# Altium PCB MotorBoard.PcbDoc (part 1 of 2)
Units mm, origin at the board's own origin, x right, y up, seen from the top; angles counter-clockwise.
Board outline 100 x 100 mm, 2 copper layers (Top Layer, Bottom Layer), stack 1.535 mm thick; 223 components, 73 nets, 805 pads, 205 vias.
Unrouted connection lines stored in the file: 31.
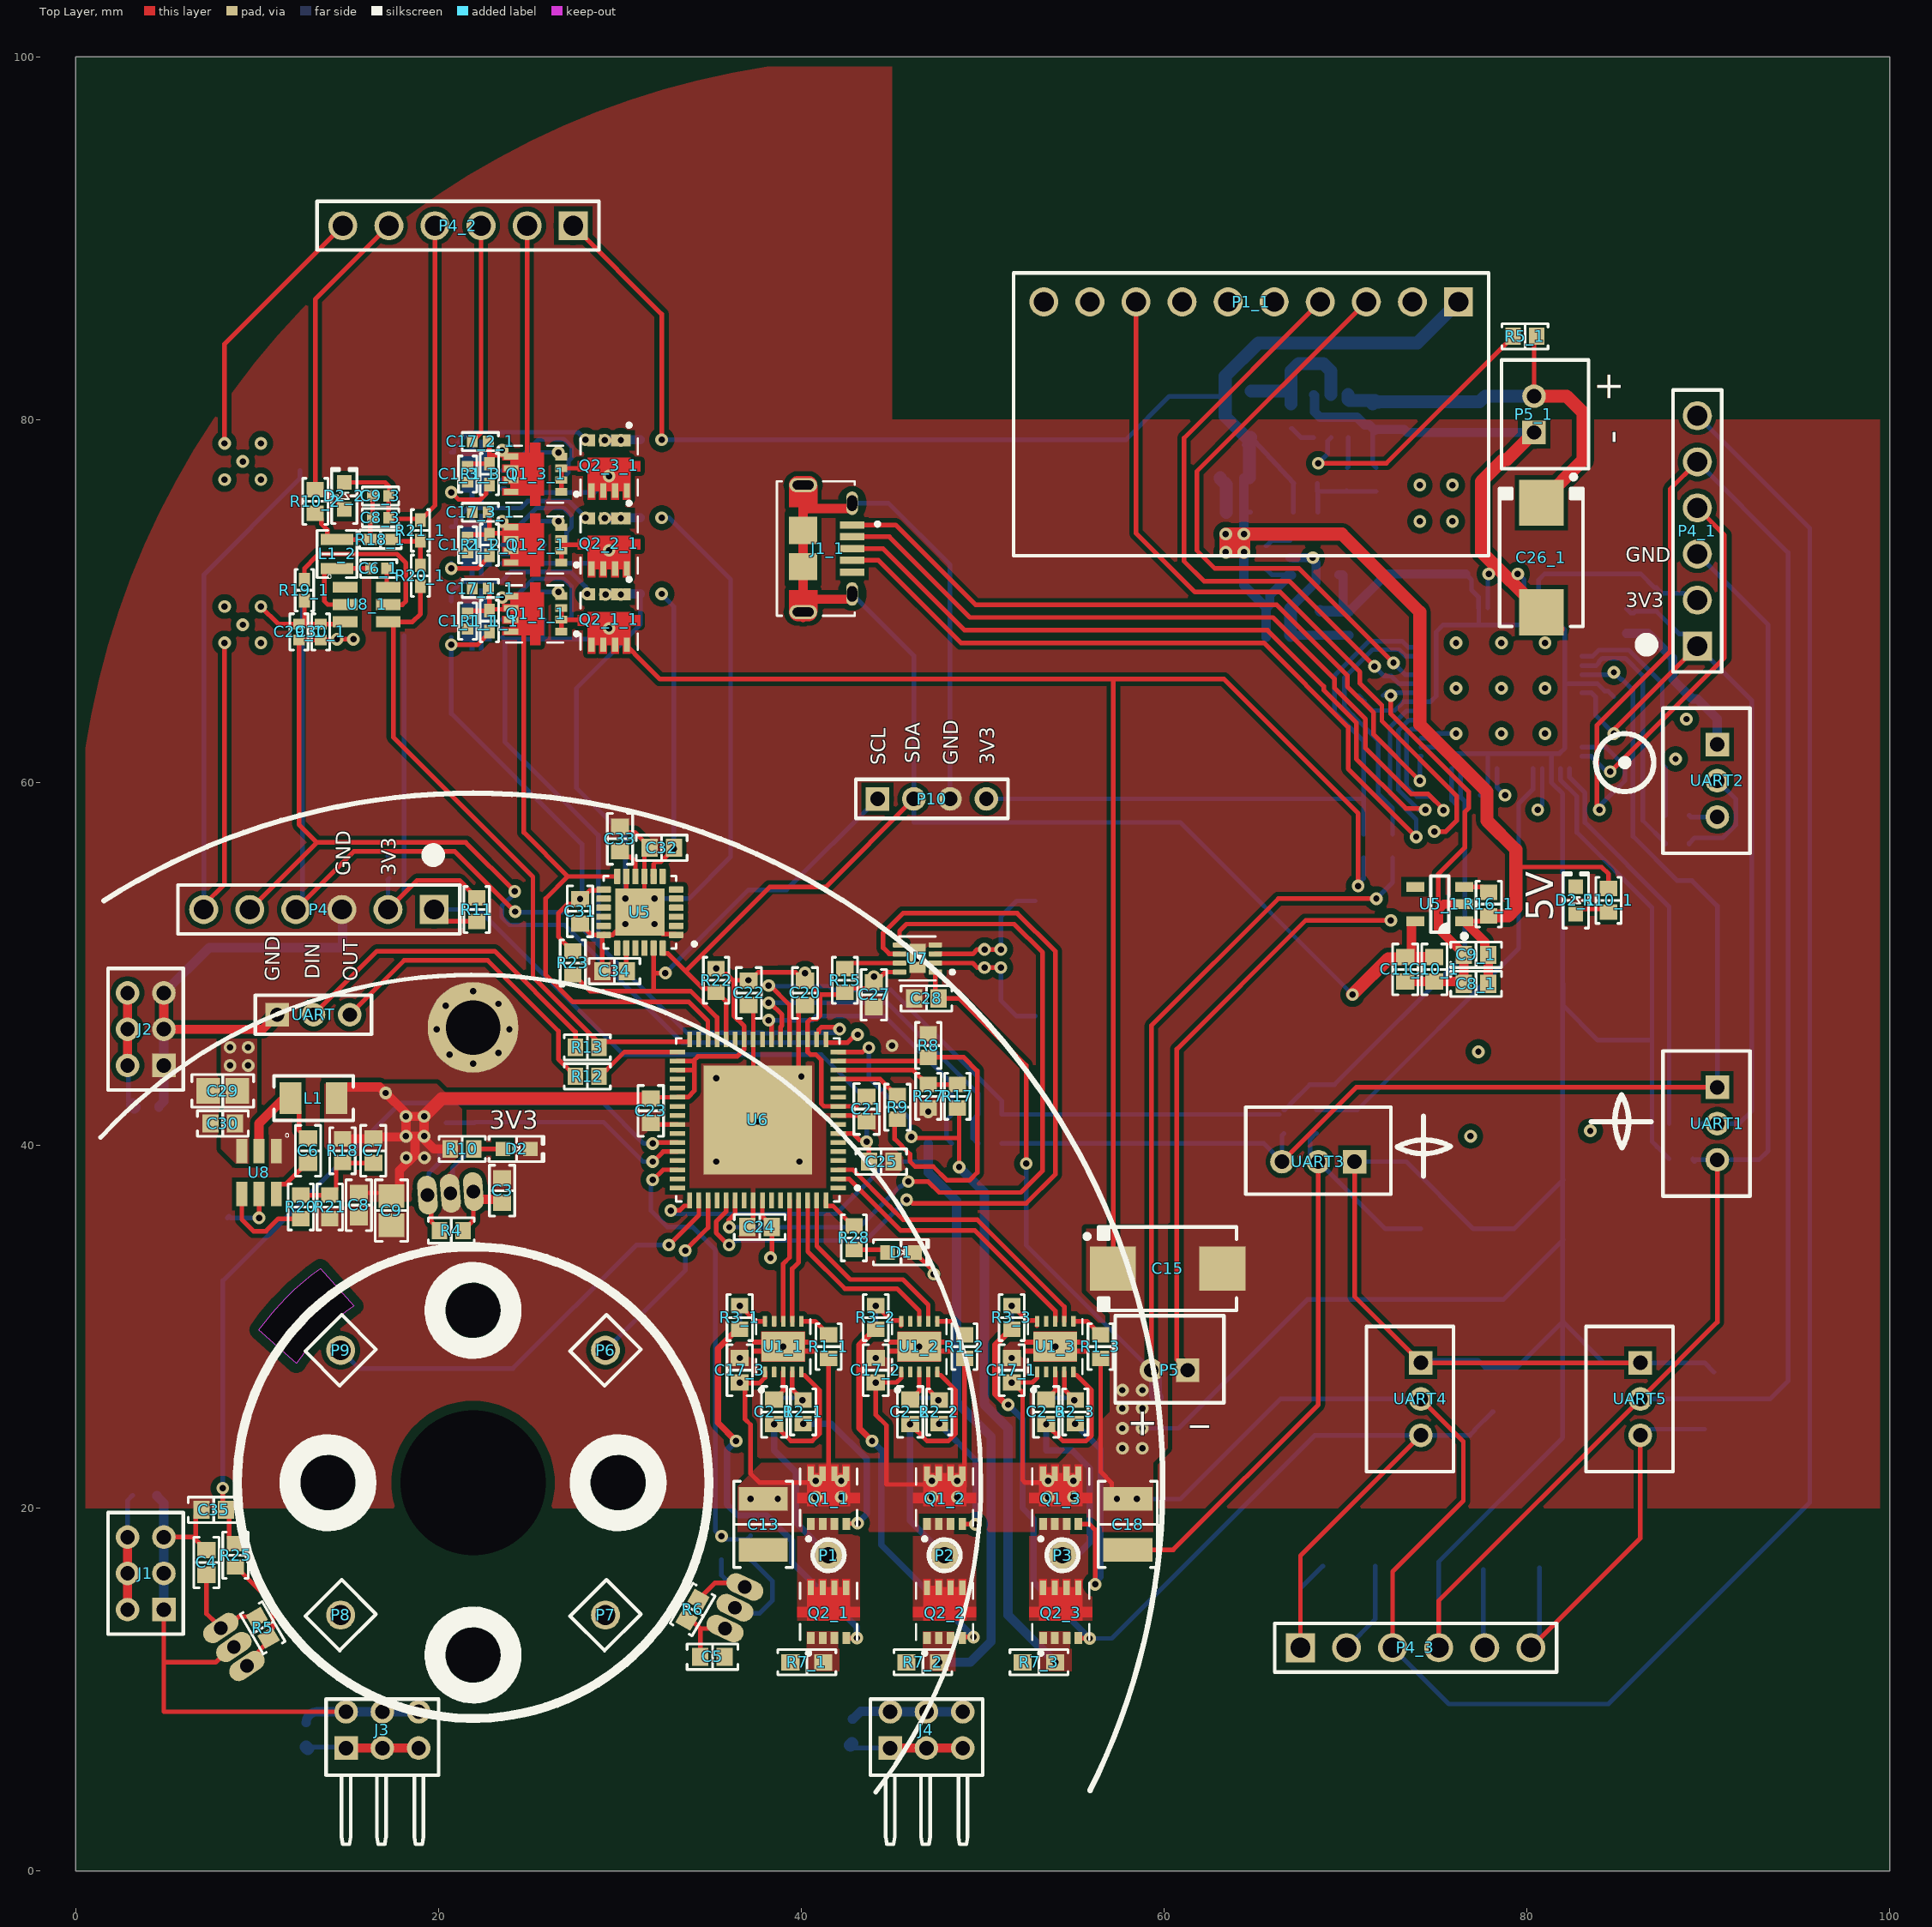
[diagram p0: Top Layer view]
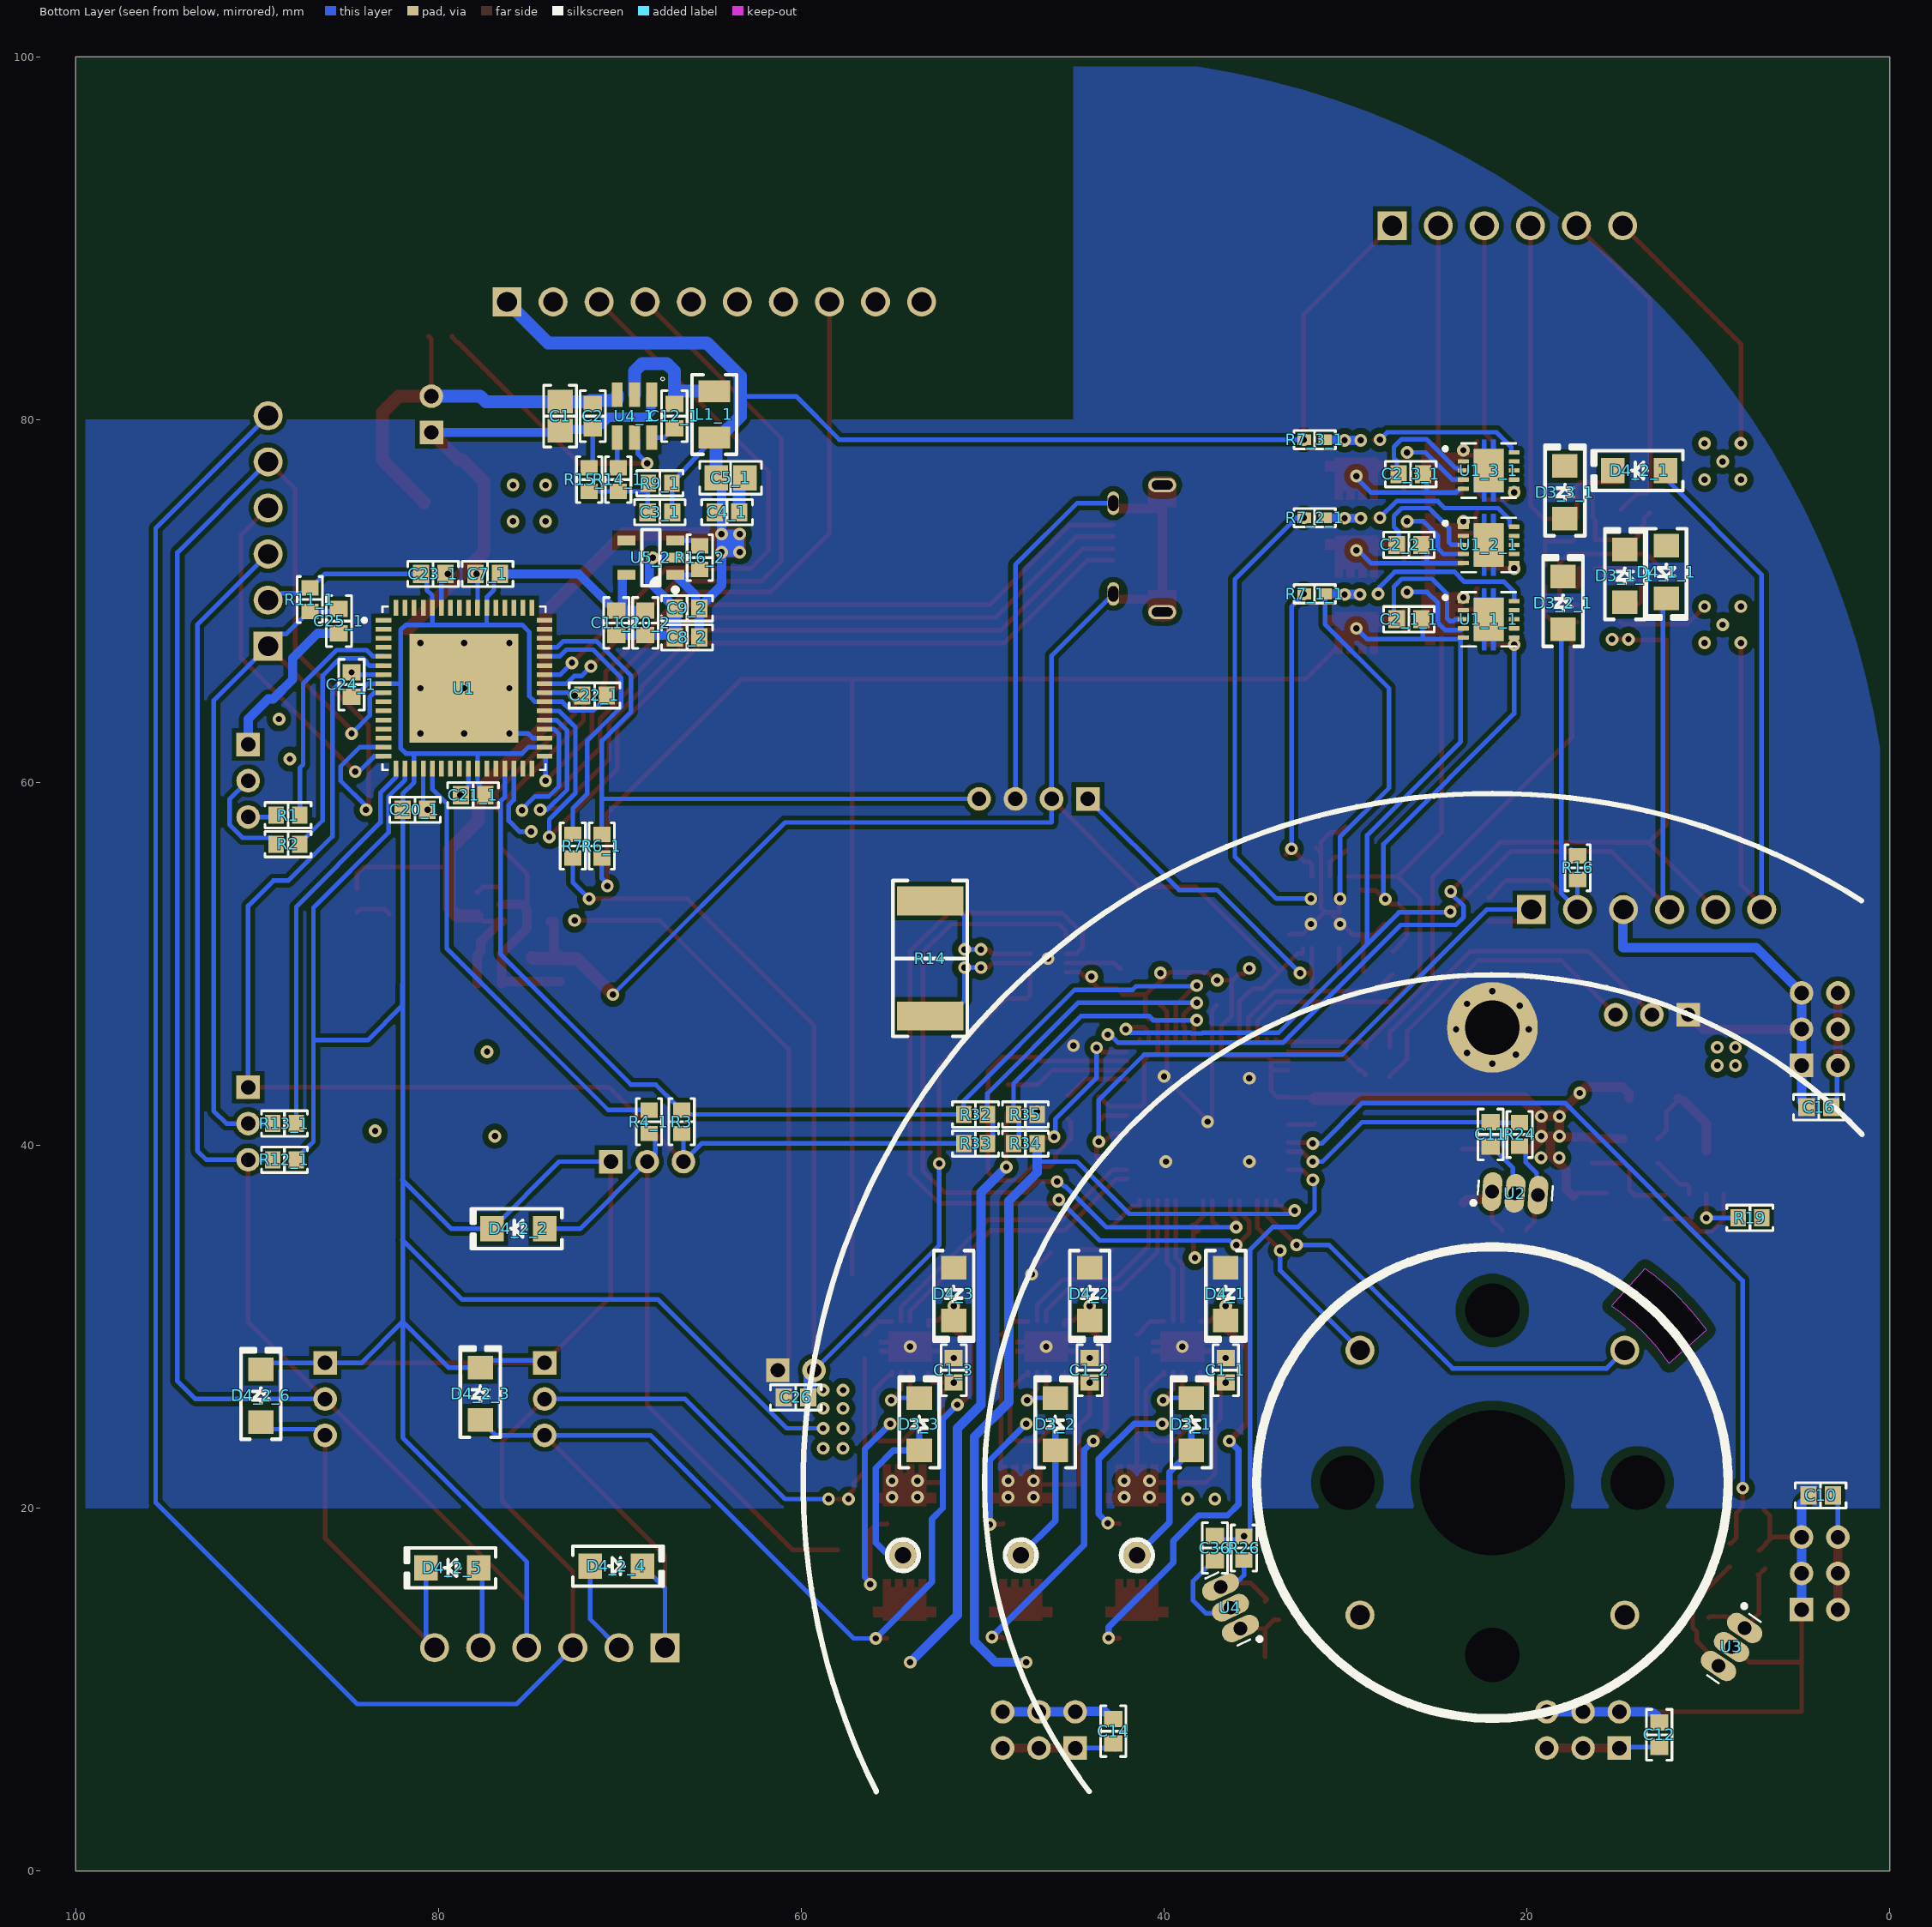
[diagram p1: Bottom Layer view, seen from below]
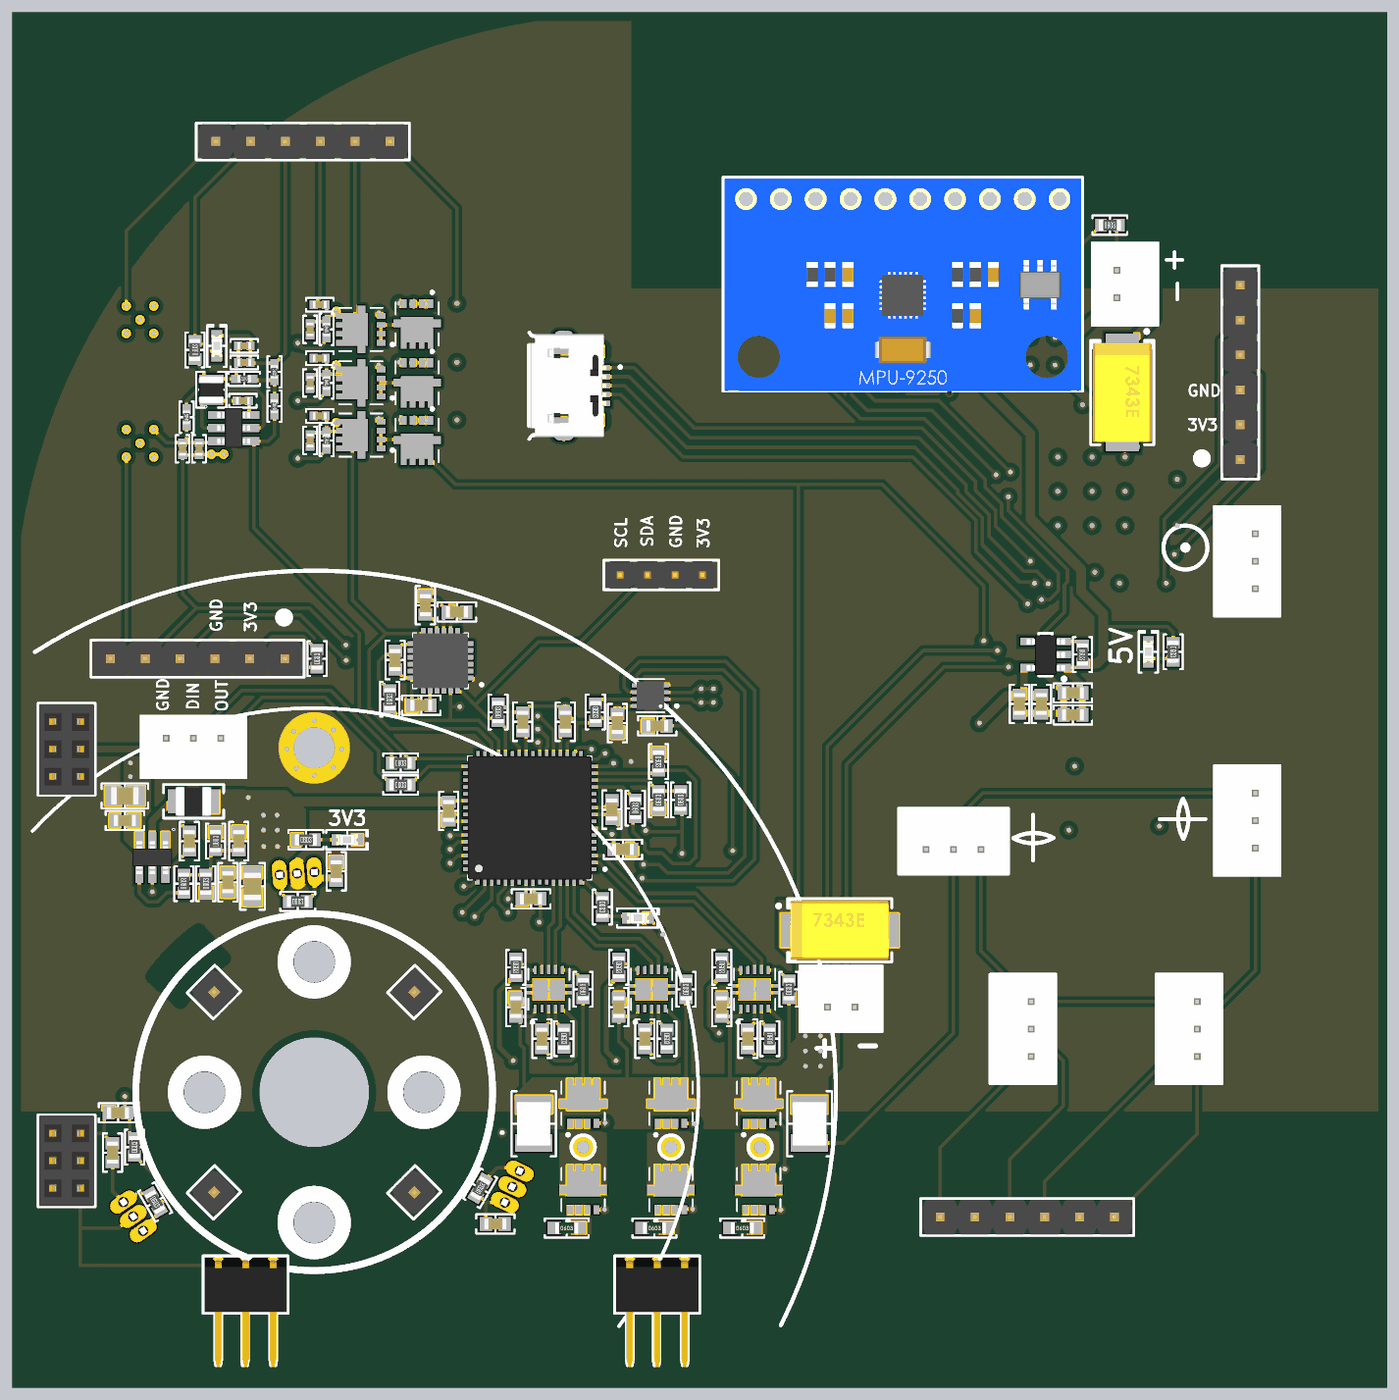
[diagram p3: 3D render of the assembled board from above, using the file's embedded part models]
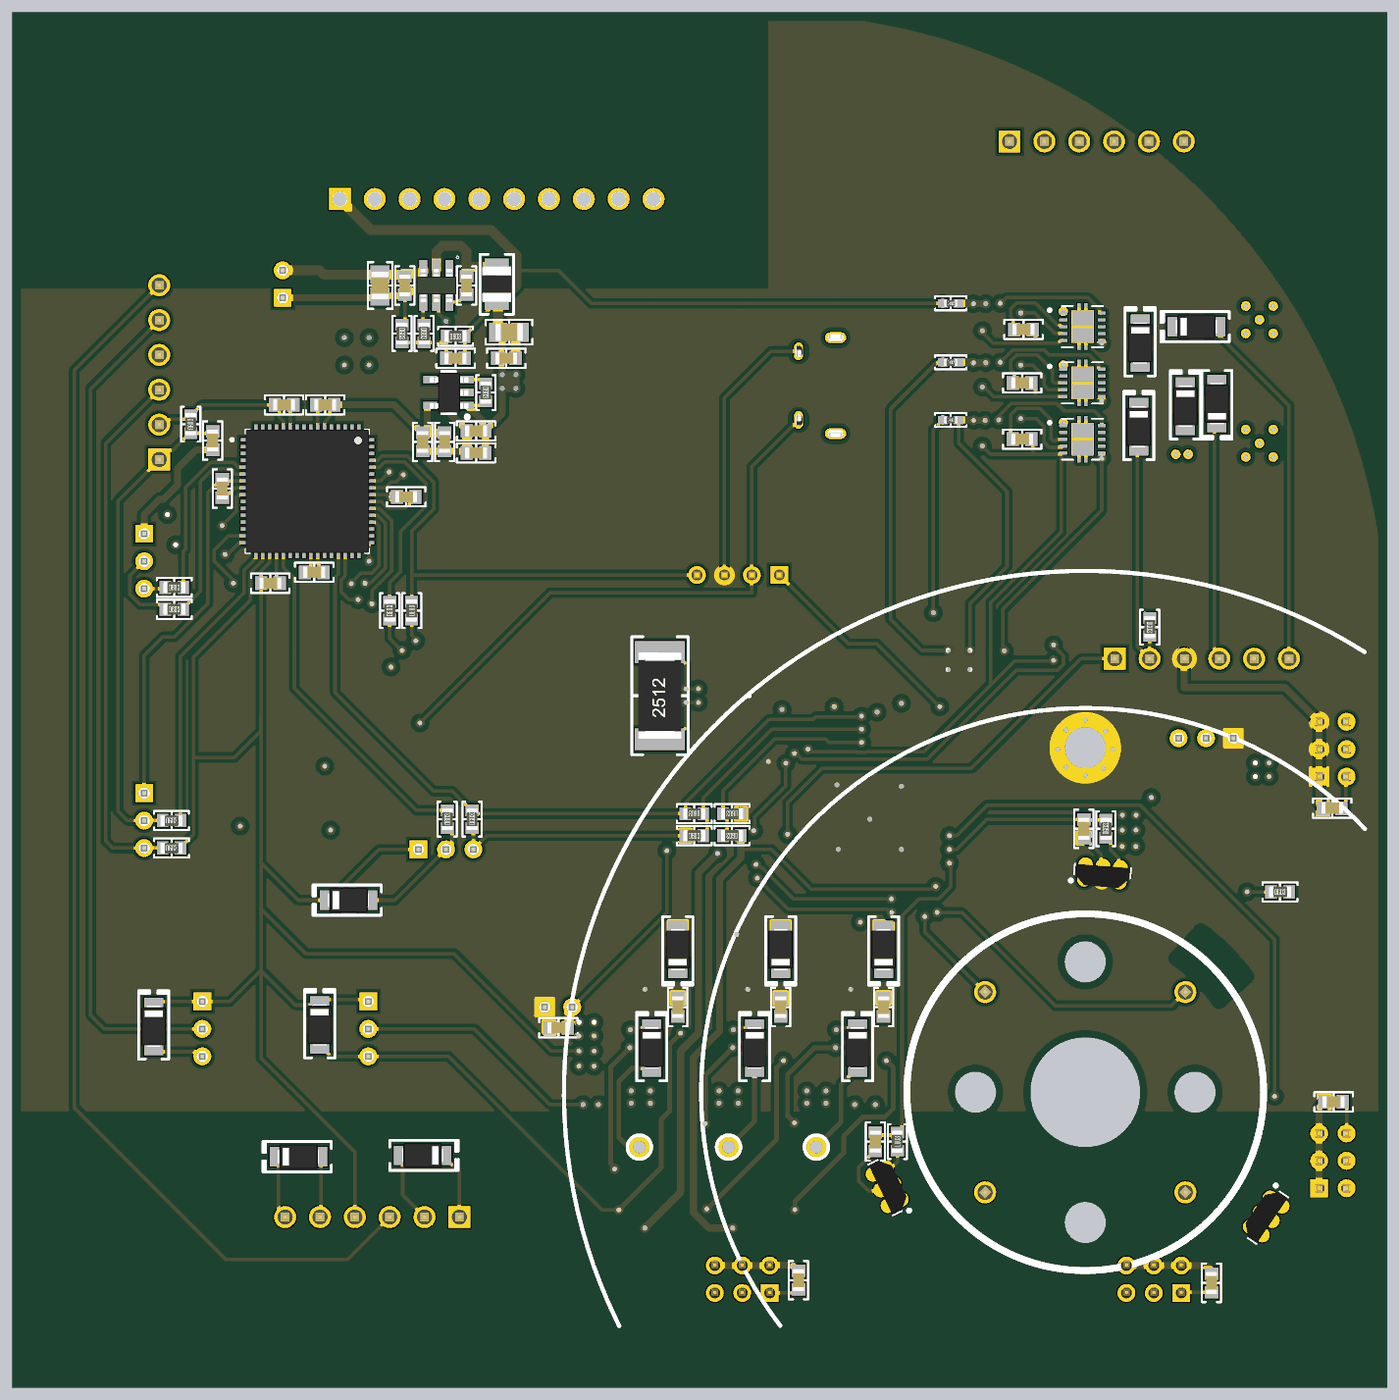
[diagram p4: 3D render of the assembled board from below, using the file's embedded part models]

## Layer stack, top to bottom
Top Solder: solder mask 0.01, Solder Resist, Dk 3.5
Top Layer: signal copper 0.035
Dielectric 2: prepreg 0.2, PP-006, Dk 4.1
Dielectric 1: dielectric 1.065, FR-4, Dk 4.8
Dielectric 3: prepreg 0.2, PP-006, Dk 4.1
Bottom Layer: signal copper 0.035
Bottom Solder: solder mask 0.01, Solder Resist, Dk 3.5

## Board outline
0,0 0,100 100,100 100,0
cut-out: 12.159,27.971 10.095,29.82 cw(c21.9,21.4) 13.48,33.205 15.329,31.141 ccw(c21.9,21.4)

## Design rules (kind name [scope] priority, off if disabled: settings)
BoardOutlineClearance [All] p1: gap=0.254 ignorepadtopadclearanceinfootprint=FALSE except(0: Arc-SplitContinuation Track-SplitContinuation SMDPad-SplitContinuation THPad-SplitContinuation Via-SplitContinuation Fill-SplitContinuation Poly-SplitContinuation Region-SplitContinuation Text-SplitContinuation; 0.512: Poly-OutlineEdge Poly-CavityEdge Poly-CutoutEdge Poly-SplitBarrior)
Clearance "PolyGon Pour Clearance" [InPolygon] p1: gap=0.254 ignorepadtopadclearanceinfootprint=FALSE except(0.512: Arc-Hole Track-Hole SMDPad-Hole THPad-Hole Via-Hole Fill-Hole Poly-Hole Region-Hole Text-Hole)
Clearance [All] p2: gap=0.152 ignorepadtopadclearanceinfootprint=FALSE except(0.01: Text-Text; 0.127: Arc-Arc Arc-Track Arc-SMDPad Track-Track Track-SMDPad SMDPad-SMDPad; 0.2: Arc-THPad Arc-Fill Arc-Poly Arc-Region Arc-Hole Track-THPad Track-Fill Track-Poly Track-Region Track-Hole; 0.254: Arc-Via Track-Via Via-Via; 0.54: THPad-THPad)
HoleSize [All] p1: absolutevalues=TRUE maxlimit=6.3 minlimit=0.2 maxpercent=80.000 minpercent=20.000
HoleToHoleClearance [All] p1: gap=0.54 allowstackedmicrovias=TRUE
PlaneClearance [All] p1: clearance=0.127
PlaneConnect [All] p1: pad.planeconnectstyle=Direct pad.reliefexpansion=0.508 pad.reliefentries=4 pad.reliefconductorwidth=0.254 pad.reliefairgap=0.254 via.planeconnectstyle=Relief via.reliefexpansion=0.508 via.reliefentries=4 via.reliefconductorwidth=0.254 via.reliefairgap=0.254
PolygonConnect [All] p1: connectstyle=Direct reliefconductorwidth=0.254 reliefentries=4 polygonreliefangle="90 Angle" airgapwidth=0.254
RoutingVias [All] p1: holewidth=0.35 width=0.7 viastyle="Through Hole" minholewidth=0.3 minwidth=0.6 maxholewidth=0.5 maxwidth=10
SolderMaskExpansion [All] p1: expansion=0.102 istentingtop=FALSE
Width [All] p1: maxlimit=2 minlimit=0.127 preferedwidth=0.254
26 further rules are at their usual default settings.

## Classes and differential pairs
net class I_SENSE[1..3]: I_SENSE1 I_SENSE2 I_SENSE3
net class PWML[1..3]: PWML1 PWML2 PWML3
net class PWMH[1..3]: PWMH1 PWMH2 PWMH3
net class HALL_OUT[1..3]: HALL_OUT1 HALL_OUT2 HALL_OUT3
net class Bridge_Out[3..1]: Bridge_Out1 Bridge_Out2 Bridge_Out3
channel class Half_bridge_drivers: U_Half_bridge_drivers1 U_Half_bridge_drivers2 U_Half_bridge_drivers3

## Components (designator, comment, footprint, x,y, rotation, side; value= is the part's Value field where it differs from the comment)
C1 "22µF" "CAP 0805_2012" 73.3,80.2 r90 bottom
C1_1 "1µF" "CAP 0603_1608" 36.6,27.6 r270 bottom (schematic designator C1)
C1_1_1 "1µF" "CAP 0402_1005" 21.6,68.9 r90 top (schematic designator C1)
C1_2 "1µF" "CAP 0603_1608" 44.1,27.6 r270 bottom (schematic designator C1)
C1_2_1 "1µF" "CAP 0402_1005" 21.6,73.1 r90 top (schematic designator C1)
C1_3 "1µF" "CAP 0603_1608" 51.6,27.6 r270 bottom (schematic designator C1)
C1_3_1 "1µF" "CAP 0402_1005" 21.6,77 r90 top (schematic designator C1)
C2 "0.1µF" "CAP 0603_1608" 71.5,80.2 r270 bottom
C2_1 "0.1µF" "CAP 0603_1608" 38.5,25.3 r90 top (schematic designator C2)
C2_1_1 "0.1µF" "CAP 0603_1608" 26.5,69 r0 bottom (schematic designator C2)
C2_2 "0.1µF" "CAP 0603_1608" 46,25.3 r90 top (schematic designator C2)
C2_2_1 "0.1µF" "CAP 0603_1608" 26.5,73.1 r0 bottom (schematic designator C2)
C2_3 "0.1µF" "CAP 0603_1608" 53.5,25.3 r90 top (schematic designator C2)
C2_3_1 "0.1µF" "CAP 0603_1608" 26.4,77 r0 bottom (schematic designator C2)
C3 "0.1µF" "CAP 0603_1608" 23.5,37.5 r90 top
C3_1 "47pF" "CAP 0603_1608" 67.8,74.9 r180 bottom (schematic designator C3)
C4 "0.1µF" "CAP 0603_1608" 7.2,17 r90 top
C4_1 "1µF" "CAP 0603_1608" 64.1,74.9 r0 bottom (schematic designator C4)
C5 "0.1µF" "CAP 0603_1608" 35.1,11.8 r0 top
C5_1 "22µF" "CAP 0805_2012" 63.9,76.8 r0 bottom (schematic designator C5)
C6 "1µF" "CAP 0603_1608" 12.8,39.7 r270 top
C6_1 "1µF" "CAP 0402_1005" 16.7,71.8 r180 top (schematic designator C6)
C7 "47pF" "CAP 0603_1608" 16.4,39.7 r90 top
C7_1 "0.1µF" "CAP 0603_1608" 77.3,71.5 r0 bottom (schematic designator C7)
C8 "1µF" "CAP 0603_1608" 15.6,36.7 r90 top
C8_1 "1µF" "CAP 0603_1608" 77.2,48.9 r0 top (schematic designator C8)
C8_2 "1µF" "CAP 0603_1608" 66.3,68 r180 bottom (schematic designator C8)
C8_3 "22µF" "CAP 0402_1005" 16.8,74.6 r180 top (schematic designator C8)
C9 "22µF" "CAP 0805_2012" 17.4,36.4 r90 top
C9_1 "0.1µF" "CAP 0603_1608" 77.2,50.5 r180 top (schematic designator C9)
C9_2 "0.1µF" "CAP 0603_1608" 66.3,69.6 r0 bottom (schematic designator C9)
C9_3 "0.1µF" "CAP 0402_1005" 16.8,75.8 r180 top (schematic designator C9)
C10 "0.1µF" "CAP 0603_1608" 3.8,20.7 r180 bottom
C10_1 "0.1µF" "CAP 0603_1608" 74.9,49.7 r270 top (schematic designator C10)
C10_2 "0.1µF" "CAP 0603_1608" 68.6,68.8 r270 bottom (schematic designator C10)
C11 "0.01µF" "CAP 0603_1608" 22,40.6 r90 bottom
C11_1 "1µF" "CAP 0603_1608" 73.3,49.7 r90 top (schematic designator C11)
C11_2 "1µF" "CAP 0603_1608" 70.2,68.8 r90 bottom (schematic designator C11)
C12 "0.1µF" "CAP 0603_1608" 12.7,7.5 r270 bottom
C12_1 "1µF" "CAP 0603_1608" 67,80.2 r270 bottom (schematic designator C12)
C13 "100µF" "CAP 1210_3225 - 2.8MM" 37.9,19.1 r90 top
C14 "0.1µF" "CAP 0603_1608" 42.8,7.7 r90 bottom
C15 "220µF" "CAP POL 2917_7343" 60.2,33.2 r0 top
C16 "0.1µF" "CAP 0603_1608" 3.9,42.1 r0 bottom
C17_1 "0.1µF" "CAP 0603_1608" 51.6,27.6 r270 top (schematic designator C17)
C17_1_1 "0.1µF" "CAP 0402_1005" 22.3,70.7 r0 top (schematic designator C17)
C17_2 "0.1µF" "CAP 0603_1608" 44.1,27.6 r270 top (schematic designator C17)
C17_2_1 "0.1µF" "CAP 0402_1005" 22.3,78.8 r0 top (schematic designator C17)
C17_3 "0.1µF" "CAP 0603_1608" 36.6,27.6 r270 top (schematic designator C17)
C17_3_1 "0.1µF" "CAP 0402_1005" 22.3,74.9 r0 top (schematic designator C17)
C18 "100µF" "CAP 1210_3225 - 2.8MM" 58,19.1 r90 top
C20 "0.1µF" "CAP 0603_1608" 40.2,48.4 r270 top
C20_1 "0.1µF" "CAP 0603_1608" 81.3,58.5 r180 bottom (schematic designator C20)
C21 "0.1µF" "CAP 0603_1608" 43.6,42 r270 top
C21_1 "0.1µF" "CAP 0603_1608" 78.1,59.3 r0 bottom (schematic designator C21)
C22 "0.1µF" "CAP 0603_1608" 37.1,48.4 r270 top
C22_1 "0.1µF" "CAP 0603_1608" 71.4,64.8 r0 bottom (schematic designator C22)
C23 "0.1µF" "CAP 0603_1608" 31.7,41.9 r270 top
C23_1 "0.1µF" "CAP 0603_1608" 80.3,71.5 r180 bottom (schematic designator C23)
C24 "0.1µF" "CAP 0603_1608" 37.7,35.5 r180 top
C24_1 "0.1µF" "CAP 0603_1608" 84.8,65.4 r90 bottom (schematic designator C24)
C25 "0.1µF" "CAP 0603_1608" 44.4,39.1 r0 top
C25_1 "0.1µF" "CAP 0603_1608" 85.5,68.9 r270 bottom (schematic designator C25)
C26 "0.1µF" "CAP 0603_1608" 60.3,26.1 r0 bottom
C26_1 "100µF" "CAP POL 2917_7343" 80.8,72.4 r270 top (schematic designator C26)
C27 "0.1µF" "CAP 0603_1608" 44,48.3 r90 top
C28 "0.1µF" "CAP 0603_1608" 46.9,48.1 r180 top
C29 "22µF" "CAP 0805_2012" 8.1,43 r0 top
C29_1 "22µF" "CAP 0402_1005" 12.3,68.3 r90 top (schematic designator C29)
C30 "0.1µF" "CAP 0603_1608" 8.1,41.2 r180 top
C30_1 "0.1µF" "CAP 0402_1005" 13.5,68.3 r90 top (schematic designator C30)
C31 "0.1µF" "CAP 0603_1608" 27.8,52.9 r90 top
C32 "0.01µF" "CAP 0603_1608" 32.3,56.4 r0 top
C33 "0.1µF" "CAP 0603_1608" 30,56.9 r90 top
C34 "2200pF" "CAP 0603_1608" 29.7,49.6 r180 top
C35 "0.01µF" "CAP 0603_1608" 7.6,19.9 r0 top
C36 "0.01µF" "CAP 0603_1608" 37.2,17.8 r90 bottom
D1 "Blue" "LED 0603_1608 GREEN" 45.5,34.1 r0 top value=Green
D2 "Green" "LED 0603_1608 GREEN" 24.3,39.8 r0 top
D2_1 "Green" "LED 0603_1608 GREEN" 82.7,53.5 r90 top (schematic designator D2)
D2_2 "Green" "LED 0603_1608 GREEN" 14.8,75.8 r90 top (schematic designator D2)
D3_1 "V1F6-M3/H" "SMF DO-219AB" 38.5,24.625 r90 bottom (schematic designator D3)
D3_1_1 "V1F6-M3/H" "SMF DO-219AB" 14.6,71.4 r90 bottom (schematic designator D3)
D3_2 "V1F6-M3/H" "SMF DO-219AB" 46,24.625 r90 bottom (schematic designator D3)
D3_2_1 "V1F6-M3/H" "SMF DO-219AB" 18,69.9 r90 bottom (schematic designator D3)
D3_3 "V1F6-M3/H" "SMF DO-219AB" 53.5,24.625 r90 bottom (schematic designator D3)
D3_3_1 "V1F6-M3/H" "SMF DO-219AB" 17.9,76 r90 bottom (schematic designator D3)
D4_1 "V1F6-M3/H" "SMF DO-219AB" 36.6,31.8 r270 bottom (schematic designator D4)
D4_1_1 "V1F6-M3/H" "SMF DO-219AB" 12.3,71.6 r270 bottom (schematic designator D4)
D4_2 "V1F6-M3/H" "SMF DO-219AB" 44.1,31.8 r270 bottom (schematic designator D4)
D4_2_1 "V1F6-M3/H" "SMF DO-219AB" 13.8,77.2 r0 bottom (schematic designator D4)
D4_2_2 "V1F6-M3/H" "SMF DO-219AB" 75.6,35.4 r0 bottom (schematic designator D4)
D4_2_3 "V1F6-M3/H" "SMF DO-219AB" 77.7,26.3 r90 bottom (schematic designator D4)
D4_2_4 "V1F6-M3/H" "SMF DO-219AB" 70.2,16.8 r180 bottom (schematic designator D4)
D4_2_5 "V1F6-M3/H" "SMF DO-219AB" 79.25,16.7 r0 bottom (schematic designator D4)
D4_2_6 "V1F6-M3/H" "SMF DO-219AB" 89.8,26.2 r90 bottom (schematic designator D4)
D4_3 "V1F6-M3/H" "SMF DO-219AB" 51.6,31.8 r270 bottom (schematic designator D4)
J1 "3x2 Female" 62000621821 3.85,16.4 r90 top
J1_1 "Mirco USB port" AMPHENOL_10118194-0001LF 40.1,72.9 r270 top (schematic designator J1)
J2 "3x2 Female" 62000621821 3.85,46.4 r90 top
J3 "3x2 Male" "2mm 3x2 Male Right - duplicate" 16.9,7.77 r0 top
J4 "3x2 Male" "2mm 3x2 Male Right - duplicate" 46.9,7.77 r0 top
L1 "4.7µH" "IND 1008_2520" 13.1,42.6 r0 top
L1_1 "4.7µH" "IND 1008_2520" 64.8,80.3 r270 bottom (schematic designator L1)
L1_2 "6.8µH" "IND 0806_2016" 14.4,72.6 r90 top (schematic designator L1)
P1 "TP" 2mmHole 41.5,17.4 r0 top
P1_1 "MPU9250" "MPU 9150 - 10 pin 0.1\"" 64.8,86.5 r0 top (schematic designator P1)
P2 "TP" 2mmHole 47.9,17.4 r0 top
P3 "TP" 2mmHole 54.4,17.4 r0 top
P4 "61300611121" 61300611121 13.4,53 r180 top
P4_1 "61300611121" 61300611121 89.4,73.87 r90 top (schematic designator P4)
P4_2 "61300611121" 61300611121 21.07,90.7 r180 top (schematic designator P4)
P4_3 "61300611121" 61300611121 73.87,12.3 r0 top (schematic designator P4)
P5 "2 pin 2mm JST Male" "2pin - 2mm JST male" 60.3,27.6 r180 top
P5_1 "2 pin 2mm JST Male" "2pin - 2mm JST male" 80.4,80.3 r90 top (schematic designator P5)
P6 "61300111121" 61300111121 29.2,28.7 r45 top
P7 "61300111121" 61300111121 29.2,14.1 r45 top
P8 "61300111121" 61300111121 14.6,14.1 r45 top
P9 "61300111121" 61300111121 14.6,28.7 r45 top
P10 "62000411121" 62000411121 47.2,59.1 r0 top
Q1_1 "NVTFS5C680NL" NVTFS015N04CTAG 41.5,20.6 r90 top (schematic designator Q1)
Q1_1_1 "NVTFS5C680NL" NVTFS015N04CTAG 25.3,69.3 r180 top (schematic designator Q1)
Q1_2 "NVTFS5C680NL" NVTFS015N04CTAG 47.9,20.6 r90 top (schematic designator Q1)
Q1_2_1 "NVTFS5C680NL" NVTFS015N04CTAG 25.3,73.1 r180 top (schematic designator Q1)
Q1_3 "NVTFS5C680NL" NVTFS015N04CTAG 54.3,20.6 r90 top (schematic designator Q1)
Q1_3_1 "NVTFS5C680NL" NVTFS015N04CTAG 25.3,77 r180 top (schematic designator Q1)
Q2_1 "NVTFS5C680NL" NVTFS015N04CTAG 41.5,14.3 r90 top (schematic designator Q2)
Q2_1_1 "NVTFS5C680NL" NVTFS015N04CTAG 29.4,68.9 r270 top (schematic designator Q2)